# Altium PCB Main_Power_Uint_1st.PcbDoc (part 1 of 2)
Units mm, origin at the board's own origin, x right, y up, seen from the top; angles counter-clockwise.
Board outline 124 x 148 mm, 4 copper layers (Top Layer, Layer 1, Layer 2, Bottom Layer), stack 0.603 mm thick; 173 components, 114 nets, 584 pads, 448 vias.
Unrouted connection lines stored in the file: 184.
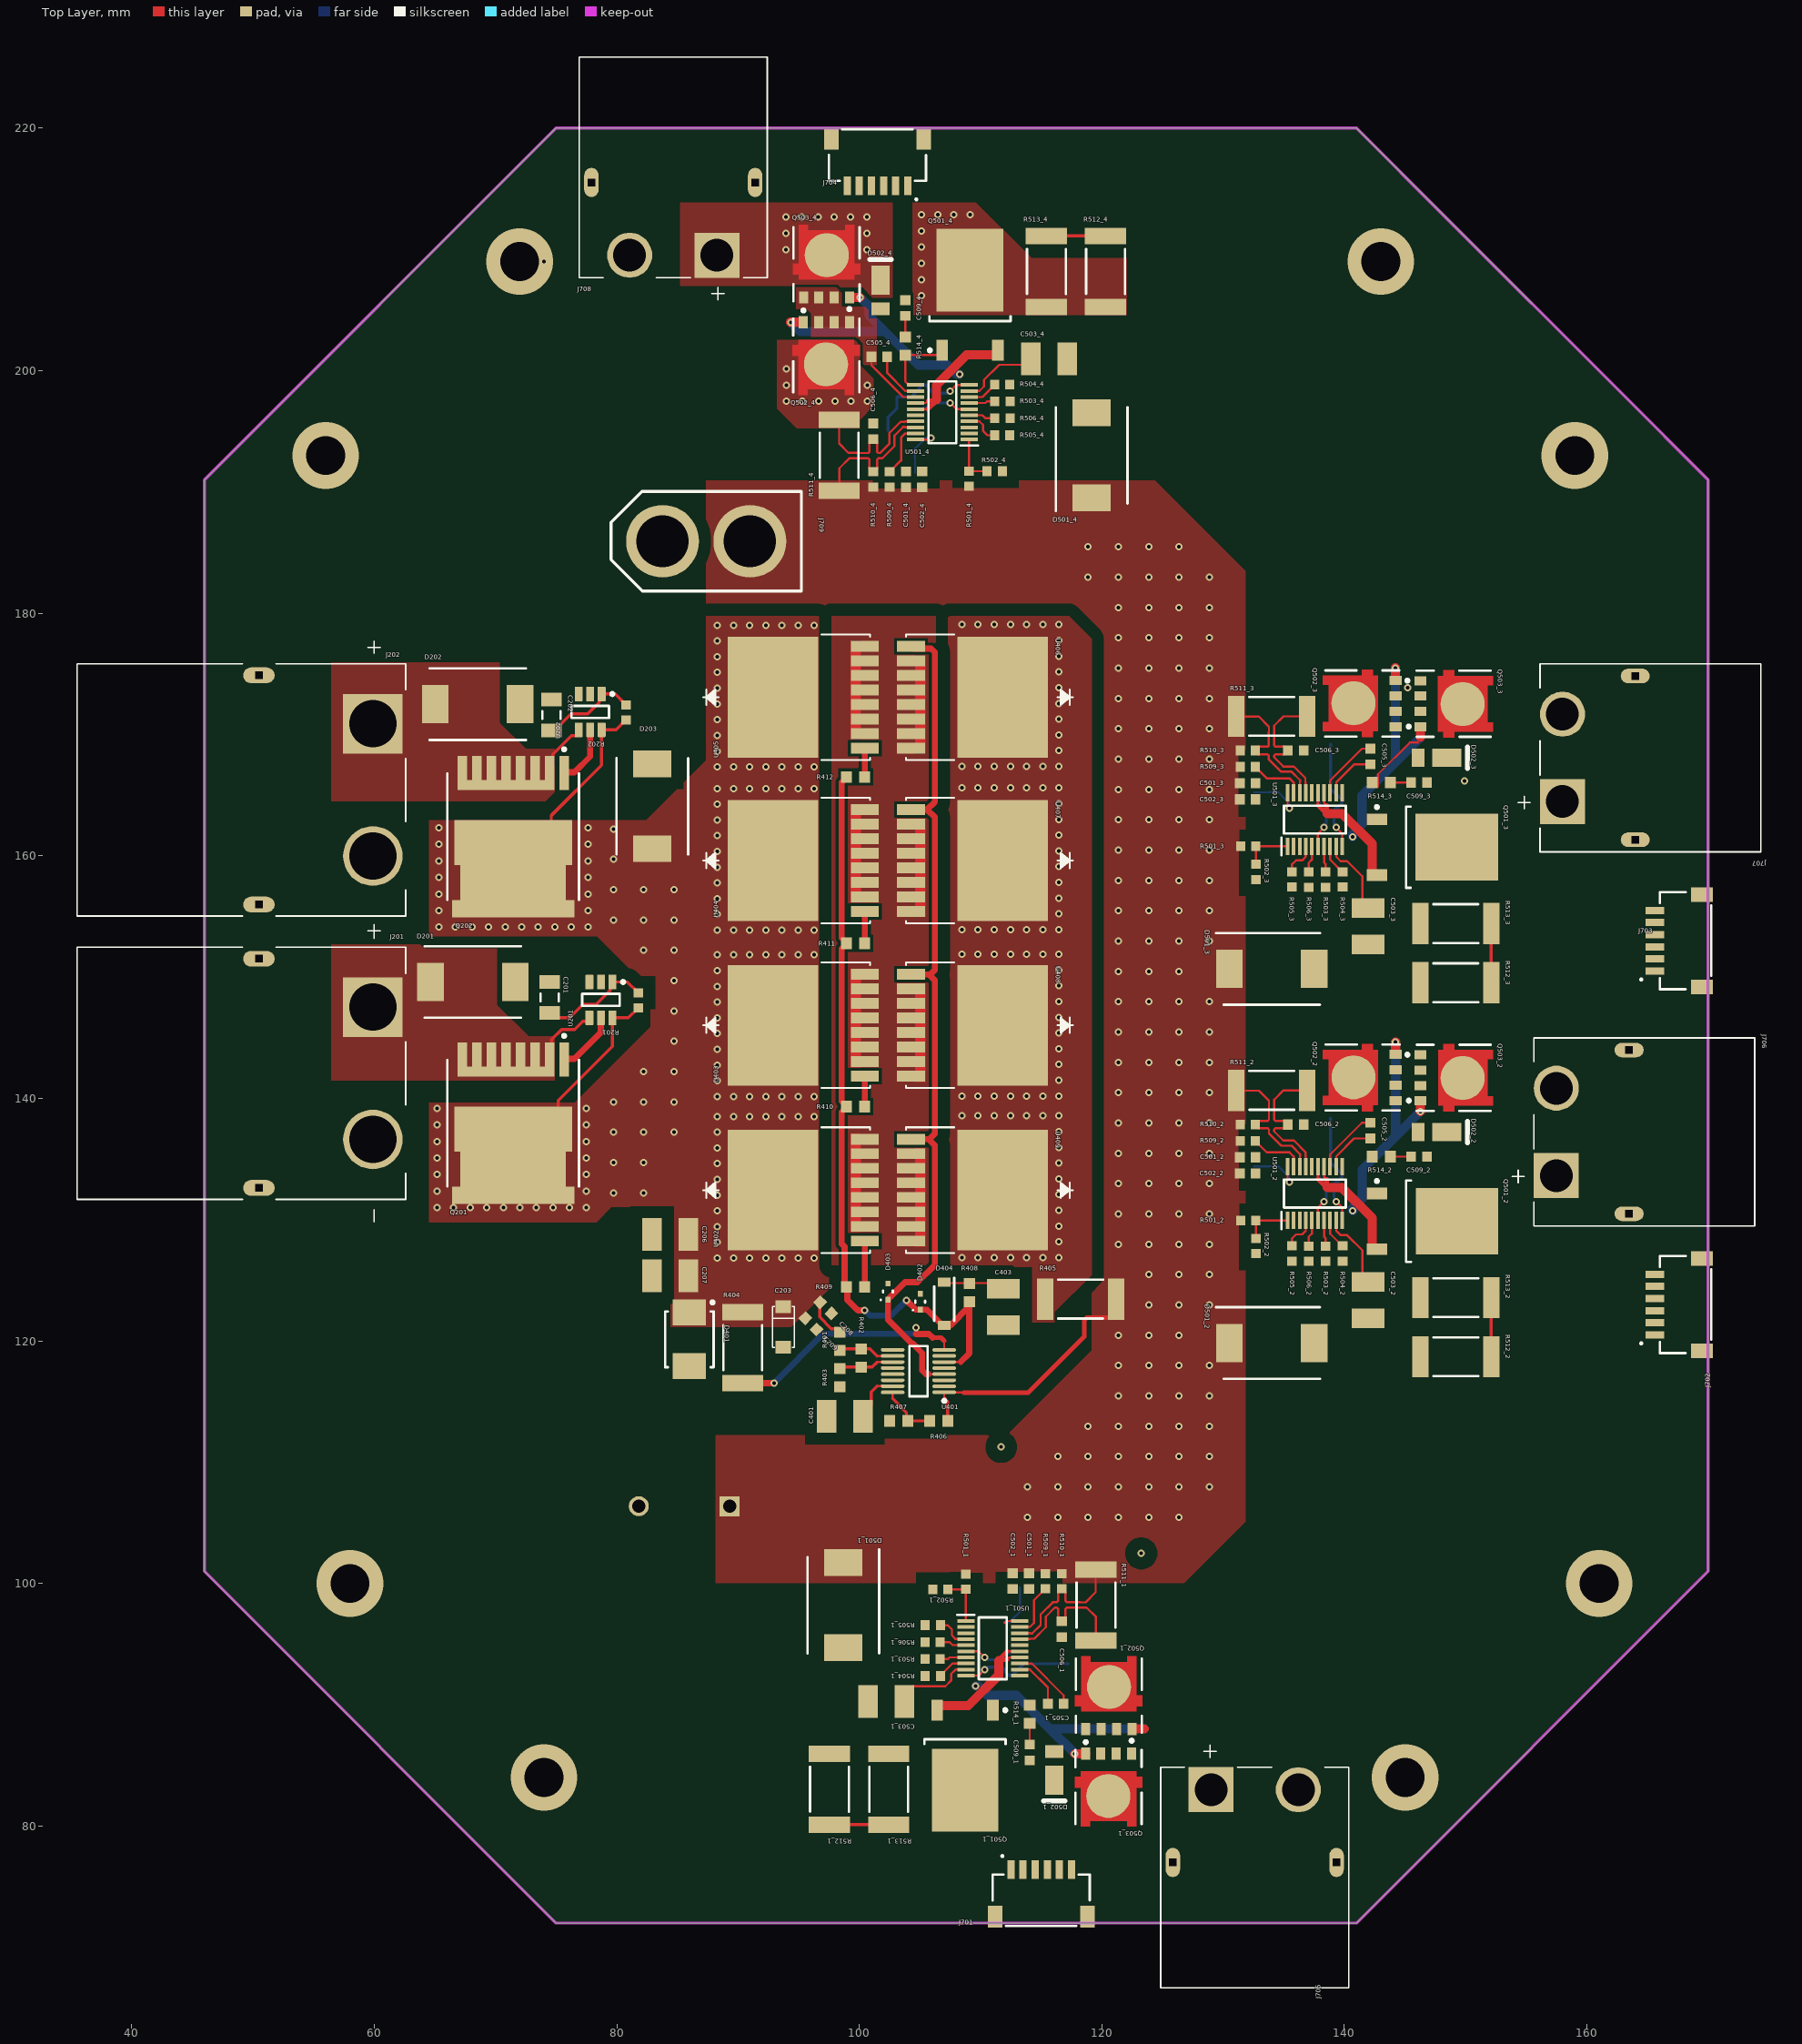
[diagram p0: Top Layer view]
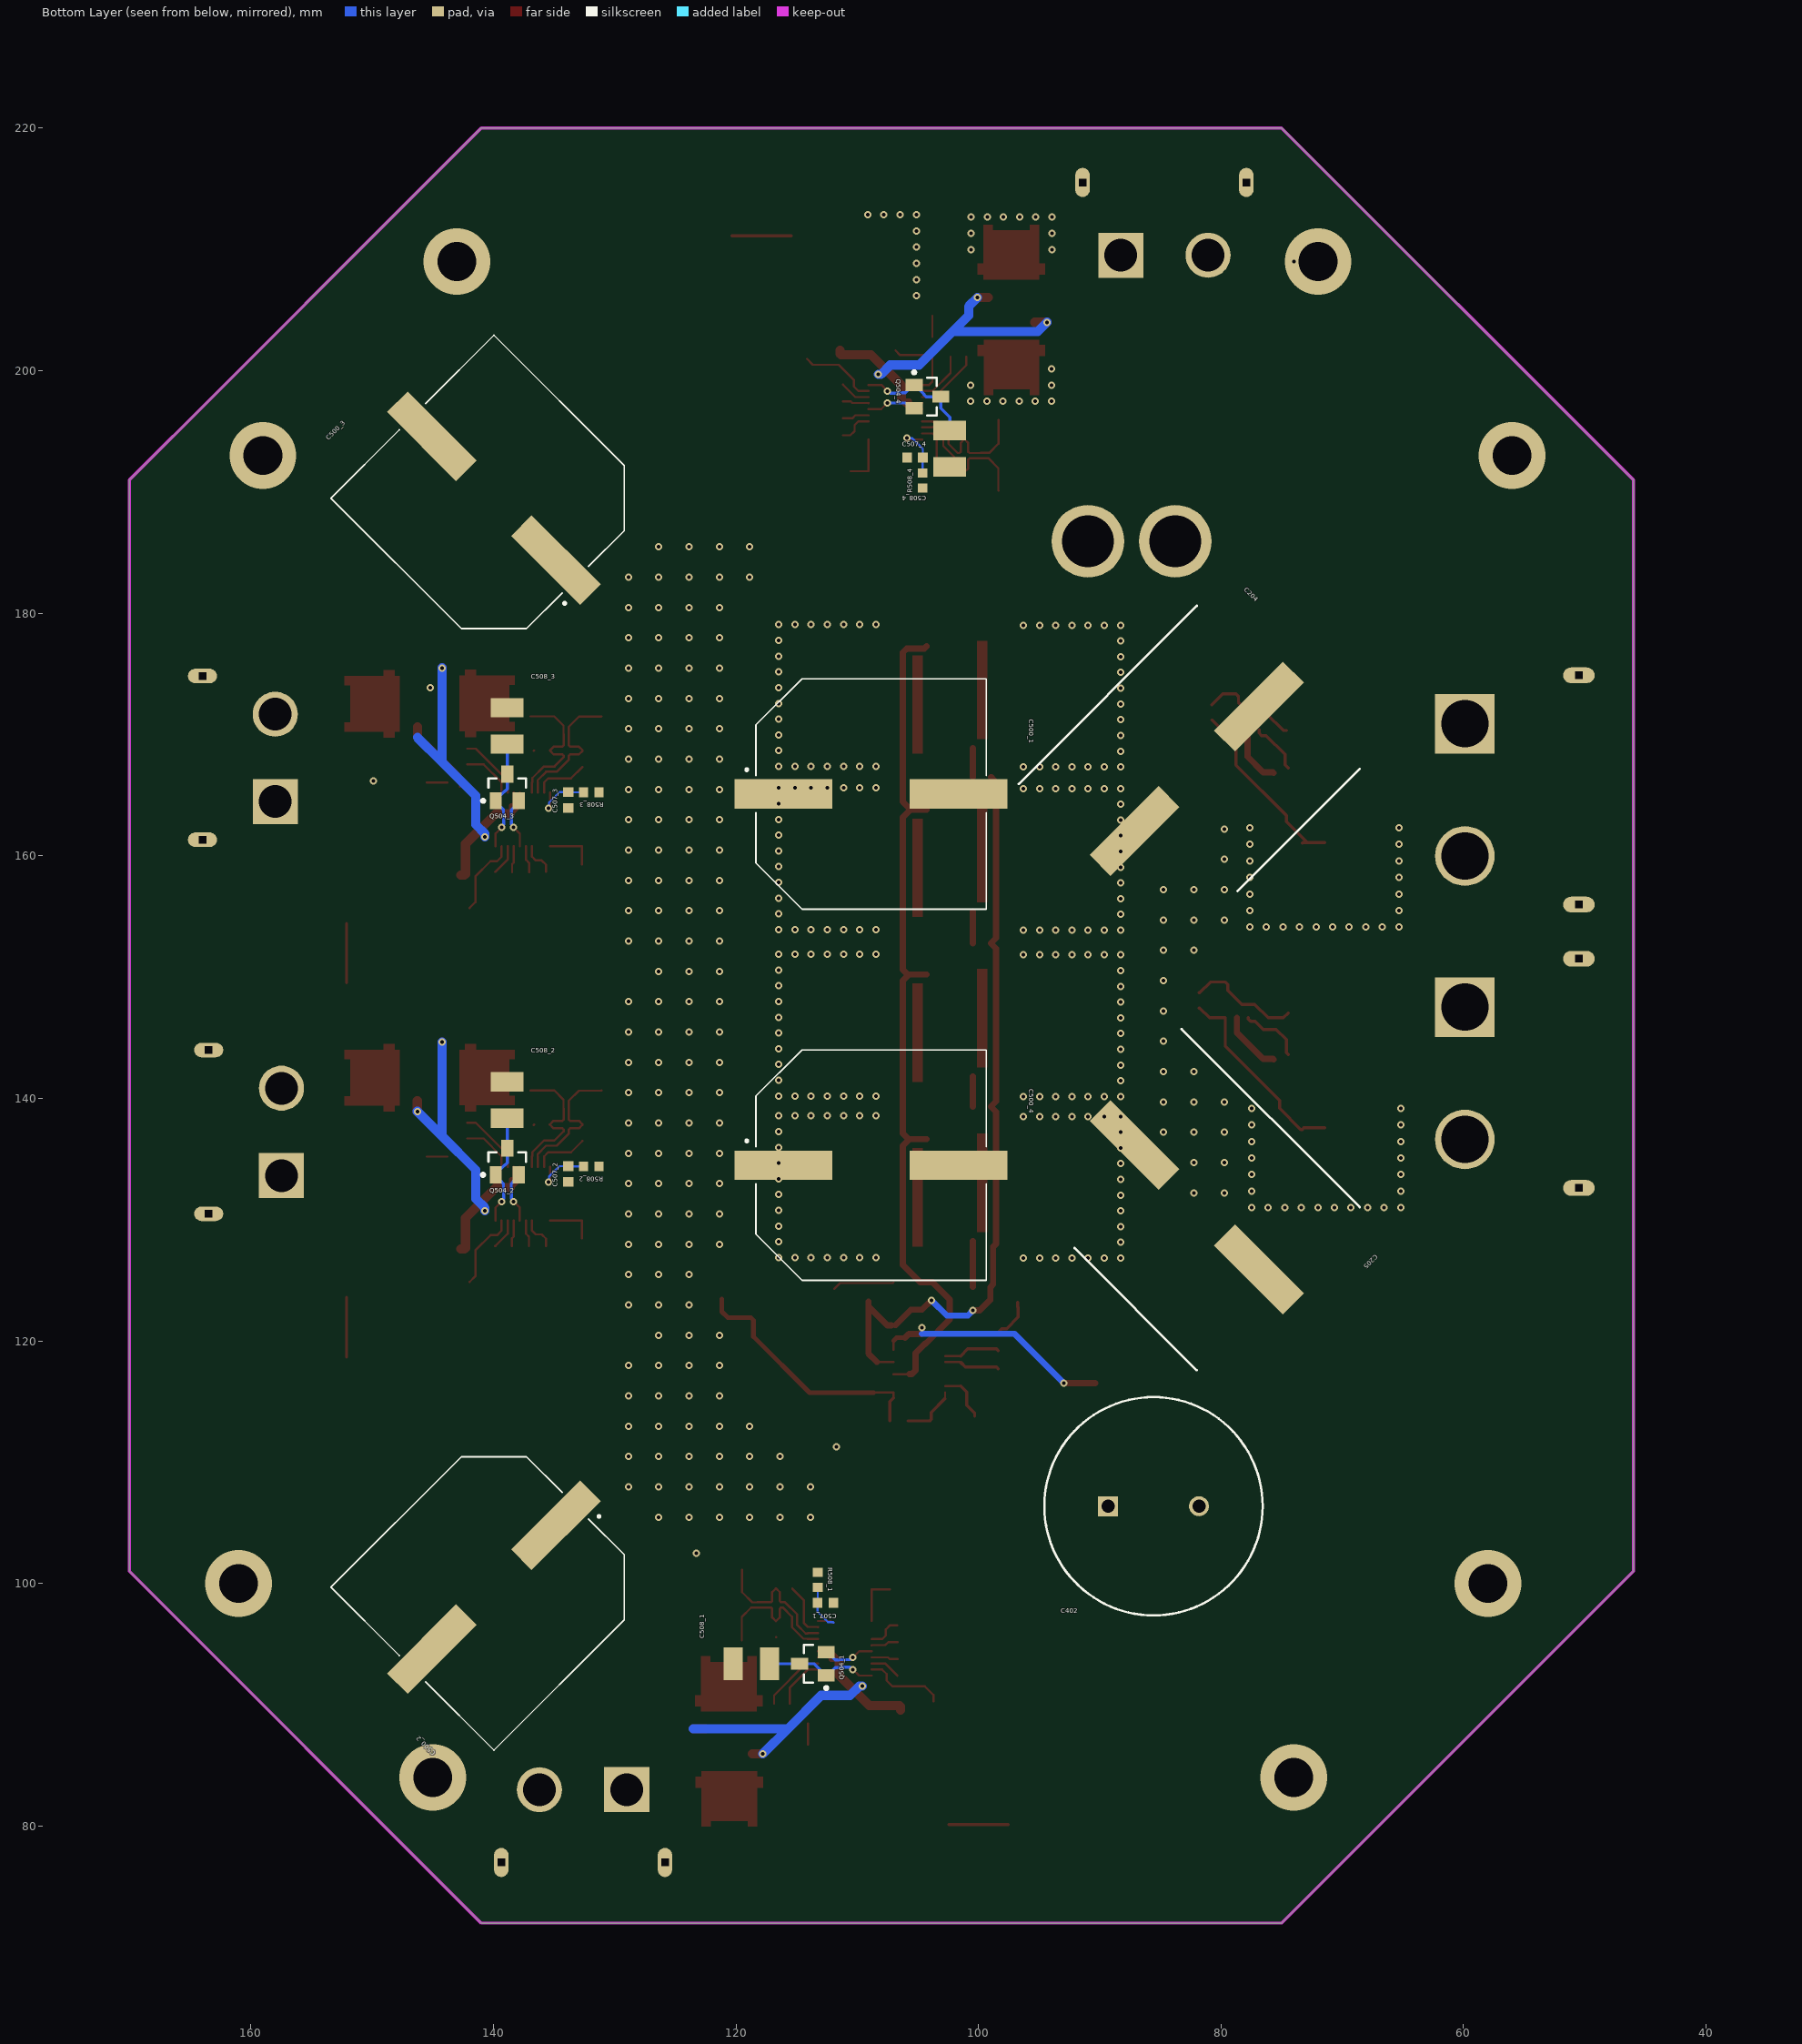
[diagram p1: Bottom Layer view, seen from below]
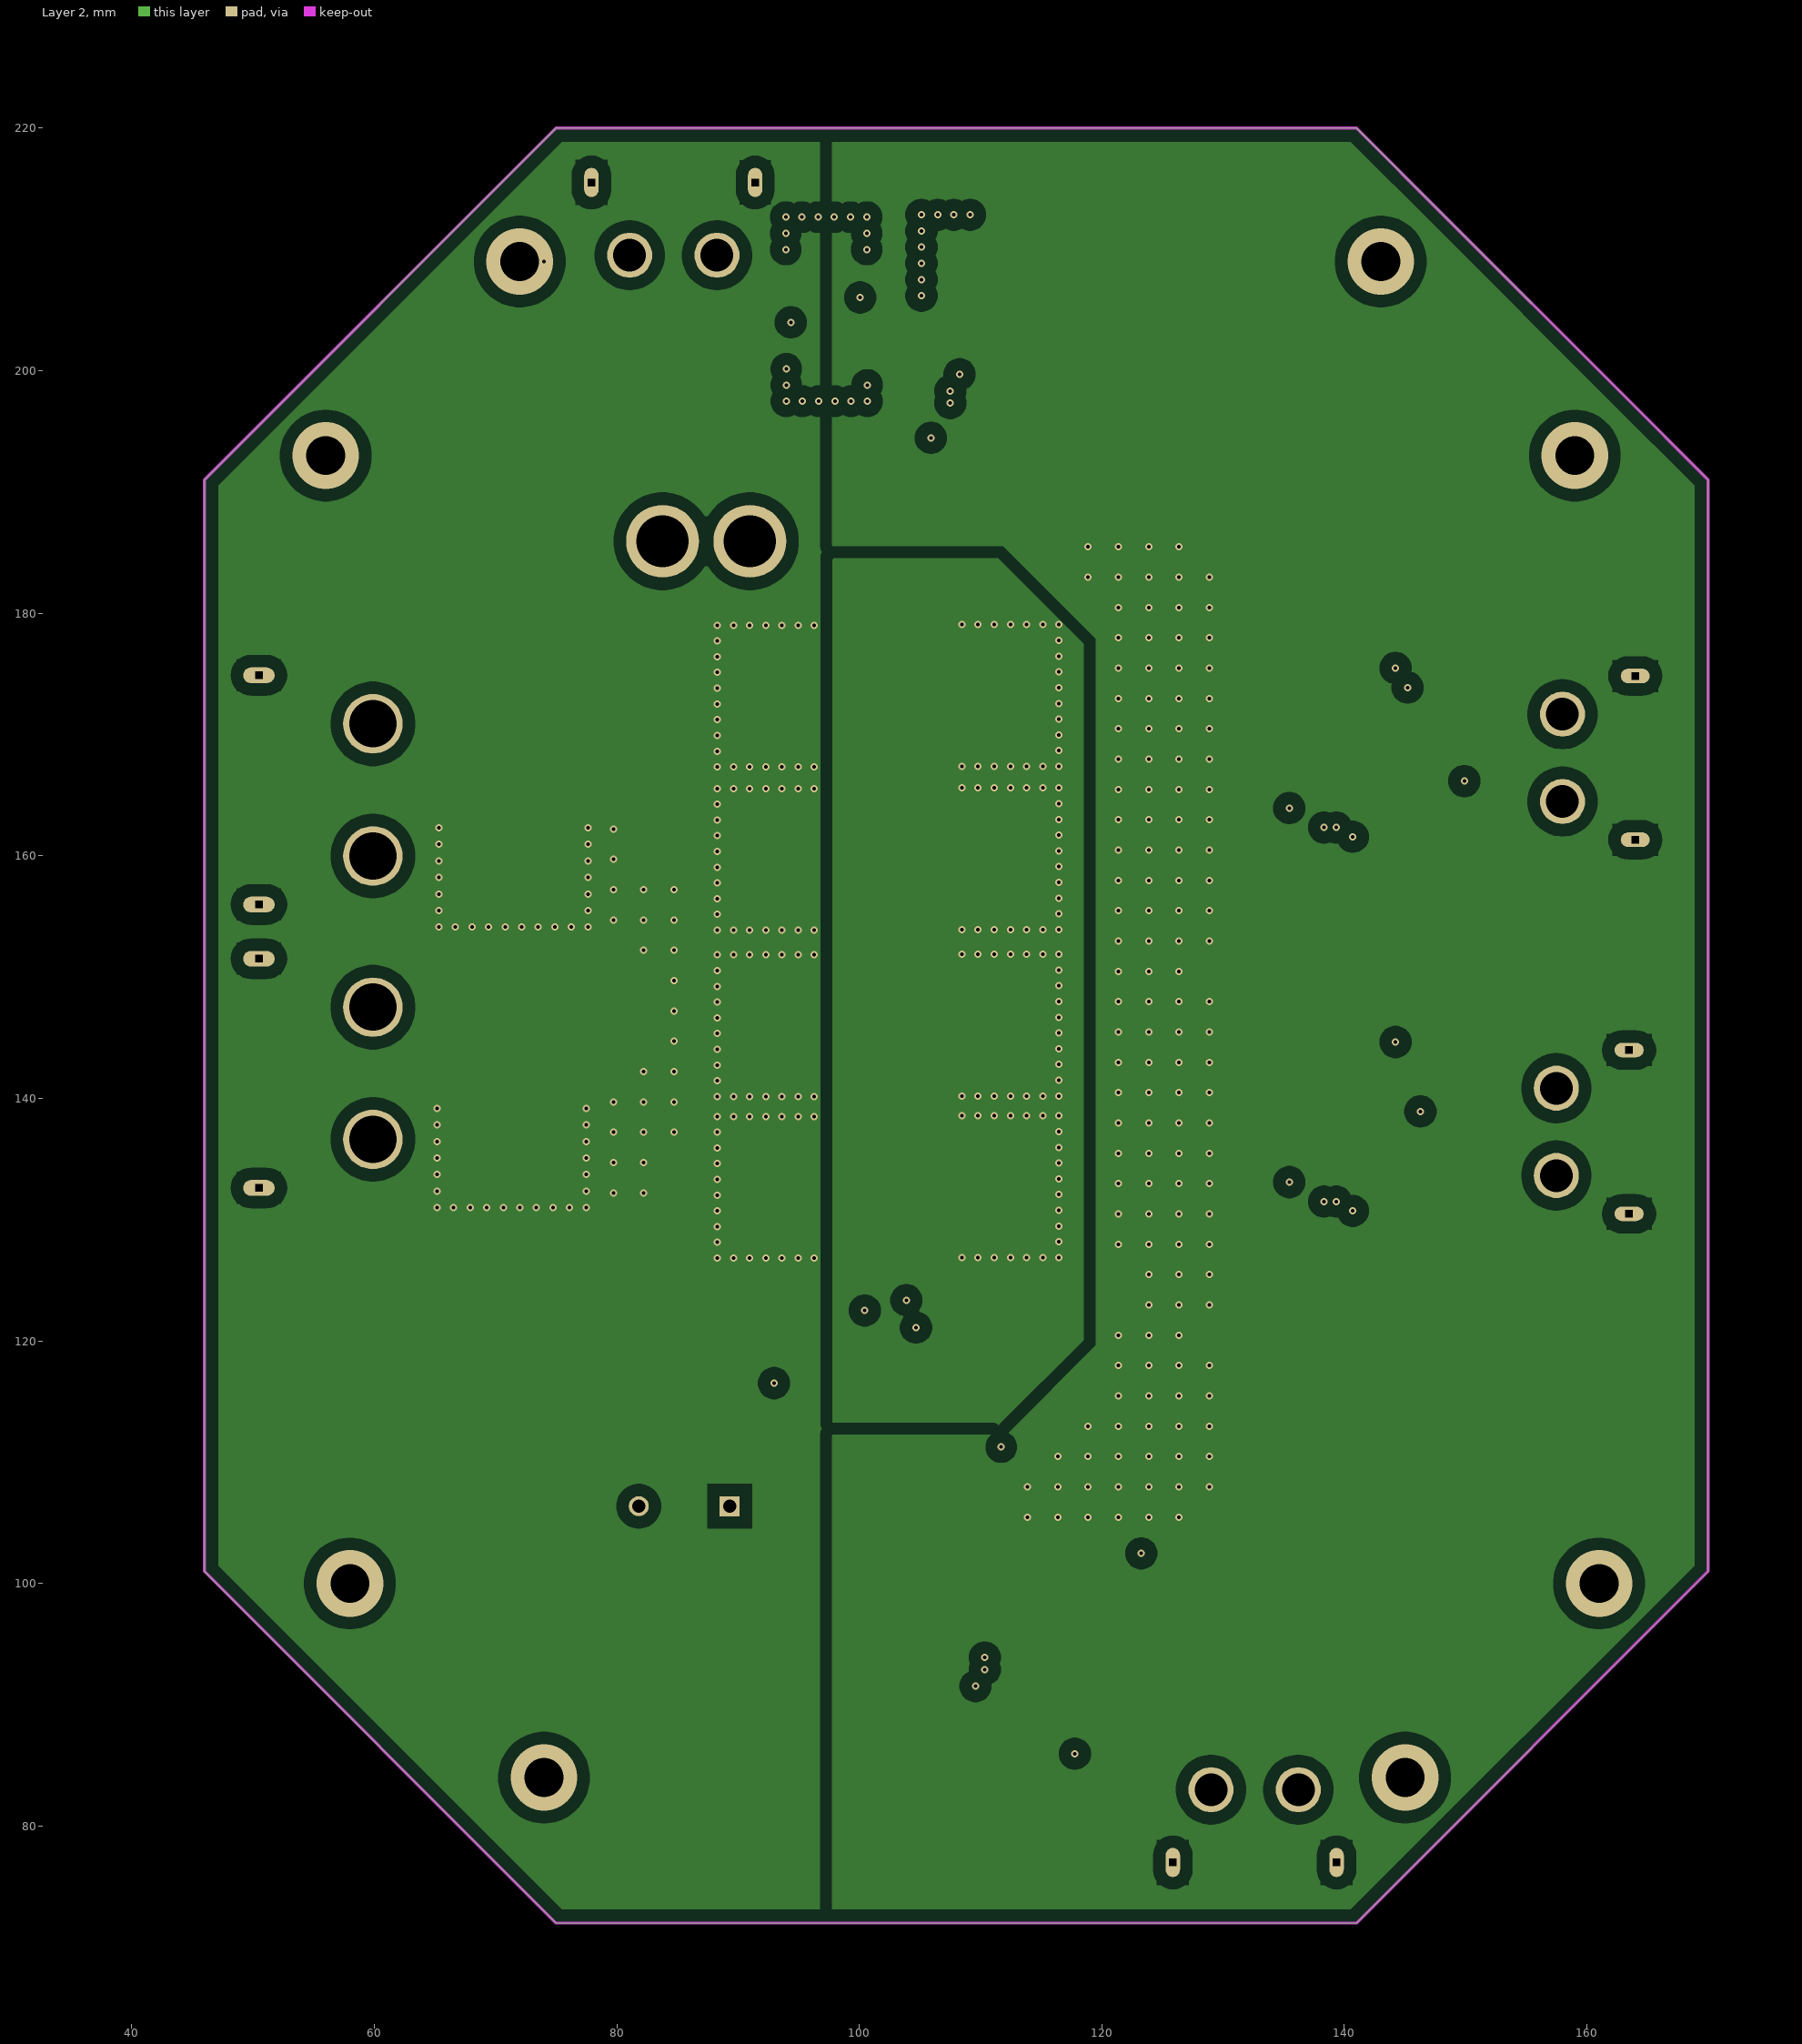
[diagram p2: Layer 2]

## Layer stack, top to bottom
Top Solder: solder mask 0.0102, Solder Resist, Dk 3.5
Top Layer: signal copper 0.0356
Dielectric 2: prepreg 0.0711, PP-006, Dk 4.1
Layer 1: signal copper 0.035
Dielectric 1: dielectric 0.32, FR-4, Dk 4.8
Layer 2: signal copper 0.035
Dielectric 3: prepreg 0.0711, PP-006, Dk 4.1
Bottom Layer: signal copper 0.0356
Bottom Solder: solder mask 0.0102, Solder Resist, Dk 3.5

## Board outline
46,101 46,191 75,220 141,220 170,191 170,101 141,72 75,72

## Design rules (kind name [scope] priority, off if disabled: settings)
Clearance "Stitching I_SENSE_N" [IsStitchingVia and InNet('I_SENSE_N') vs (IsVia and (Not IsStitchingVia)) Or IsPad] p1: gap=0.254 ignorepadtopadclearanceinfootprint=TRUE
Clearance Clearance_Polygon [InNetClass('PWR')] p2: gap=1.016 ignorepadtopadclearanceinfootprint=TRUE
Clearance [All] p3: gap=0.254 ignorepadtopadclearanceinfootprint=TRUE
DiffPairsRouting [All] p1: maxlimit=0.254 minlimit=0.254 mostfreqgap=0.254 toplayer_minwidth=0.178 toplayer_maxwidth=0.381 toplayer_prefwidth=0.381 midlayer1_minwidth=0.381 midlayer1_maxwidth=0.381 midlayer1_prefwidth=0.381 midlayer2_minwidth=0.381 midlayer2_maxwidth=0.381 midlayer2_prefwidth=0.381 bottomlayer_minwidth=0.381 bottomlayer_maxwidth=0.381 bottomlayer_prefwidth=0.381 maxuncoupledlength=12.7
HoleSize [All] p1: absolutevalues=TRUE maxlimit=7.62 minlimit=0.025 maxpercent=80.000 minpercent=20.000
PlaneConnect [All] p1: planeconnectstyle=Direct reliefexpansion=0.508 reliefentries=4 reliefconductorwidth=0.254 reliefairgap=0.254
PolygonConnect [All] p1: connectstyle=Direct reliefconductorwidth=0.254 reliefentries=4 polygonreliefangle="90 Angle" airgapwidth=0.254
RoomDefinition e-Fuse1 [InComponentClass('e-Fuse1')] p1: confinementstyle=ConfineIn formatcopy=TRUE lockcomponents=FALSE outline 94.623,104.691 94.623,78.275 124.087,78.275 124.087,104.691
RoomDefinition e-Fuse3 [InComponentClass('e-Fuse3')] p2: confinementstyle=ConfineIn formatcopy=TRUE lockcomponents=FALSE outline 127.533,146.608 153.949,146.608 153.949,176.072 127.533,176.072
RoomDefinition e-Fuse4 [InComponentClass('e-Fuse4')] p3: confinementstyle=ConfineIn formatcopy=TRUE lockcomponents=FALSE outline 123.228,186.544 123.228,212.96 93.764,212.96 93.764,186.544
RoomDefinition e-Fuse2 [InComponentClass('e-Fuse2')] p4: confinementstyle=ConfineIn formatcopy=TRUE lockcomponents=FALSE outline 127.536,115.768 153.952,115.768 153.952,145.232 127.536,145.232
RoutingVias [All] p1: holewidth=0.711 width=1.27 viastyle="Through Hole" minholewidth=0.711 minwidth=1.27 maxholewidth=0.711 maxwidth=1.27
SilkToSolderMaskClearance [IsPad] p1: minsilkscreentomaskgap=0.127 clearancetoexposedcopper=TRUE
SolderMaskExpansion [All] p1: expansion=0.102 istentingtop=FALSE
SupplyNets "Schematic Supply Nets" [InNet('GND')] p1: voltage=0.000
SupplyNets "Schematic Supply Nets_2" [InNet('OUT1')] p2: voltage=0.000
Width [All] p1: maxlimit=0.508 minlimit=0.127 preferedwidth=0.254 midlayer1_minwidth=0.254 midlayer1_maxwidth=0.254 midlayer2_minwidth=0.254 midlayer2_maxwidth=0.254 minimp=50.000000 maximp=50.000000 favimp=50.000000
26 further rules are at their usual default settings.

## Classes and differential pairs
net class PWR: I_SENSE_N I_SENSE_P OUT1
polygon class MainCurrent_Polygon: I_SENSE_N_L01_P036 I_SENSE_N_L03_P010 I_SENSE_P_L01_P025 I_SENSE_P_L03_P028 OUT1_L01_P024 OUT1_L03_P029
component class ORING: C201 C202 C203 C204 C205 C206 C207 C208 C209 D201 D202 D203 J201 J202 Q201 Q202 R201 R202 U201 U202
component class CONNECTOR: J701 J702 J703 J704 J705 J706 J707 J708 J709
channel class e-Fuse: e-Fuse1 e-Fuse2 e-Fuse3 e-Fuse4
net class PRE_CHARGE[1..4]: PRE_CHARGE1 PRE_CHARGE2 PRE_CHARGE3 PRE_CHARGE4
net class INP_G[1..4]: INP_G1 INP_G2 INP_G3 INP_G4
net class INP[1..4]: INP1 INP2 INP3 INP4
net class G[1..4]: G1 G2 G3 G4
net class FLT_T[1..4]: FLT_T1 FLT_T2 FLT_T3 FLT_T4
net class FLT_I[1..4]: FLT_I1 FLT_I2 FLT_I3 FLT_I4
net class EFUSE_OUT[1..4]: EFUSE_OUT1 EFUSE_OUT2 EFUSE_OUT3 EFUSE_OUT4
component class e-Fuse4: C500_4 C501_4 C502_4 C503_4 C505_4 C506_4 C507_4 C508_4 C509_4 D501_4 D502_4 Q501_4 Q502_4 Q503_4 Q504_4 R501_4 R502_4 R503_4 R504_4 R505_4 R506_4 R508_4 R509_4 R510_4 R511_4 R512_4 R513_4 R514_4 U501_4
component class e-Fuse3: C500_3 C501_3 C502_3 C503_3 C505_3 C506_3 C507_3 C508_3 C509_3 D501_3 D502_3 Q501_3 Q502_3 Q503_3 Q504_3 R501_3 R502_3 R503_3 R504_3 R505_3 R506_3 R508_3 R509_3 R510_3 R511_3 R512_3 R513_3 R514_3 U501_3
component class e-Fuse2: C500_2 C501_2 C502_2 C503_2 C505_2 C506_2 C507_2 C508_2 C509_2 D501_2 D502_2 Q501_2 Q502_2 Q503_2 Q504_2 R501_2 R502_2 R503_2 R504_2 R505_2 R506_2 R508_2 R509_2 R510_2 R511_2 R512_2 R513_2 R514_2 U501_2
component class e-Fuse1: C500_1 C501_1 C502_1 C503_1 C505_1 C506_1 C507_1 C508_1 C509_1 D501_1 D502_1 Q501_1 Q502_1 Q503_1 Q504_1 R501_1 R502_1 R503_1 R504_1 R505_1 R506_1 R508_1 R509_1 R510_1 R511_1 R512_1 R513_1 R514_1 U501_1
component class PROTECT: C401 C402 C403 D401 D402 D403 D404 R401 R402 R403 R404 R405 R406 R407 R408 R409 R410 R411 R412 U401 U402 U403 U404 U405 U406 U407 U408 U409
differential pair PROTECT: +I_SENSE_P -I_SENSE_N
